# KiCad board AMC_FMC_Carrier-PcbDoc.kicad_pcb (continued)
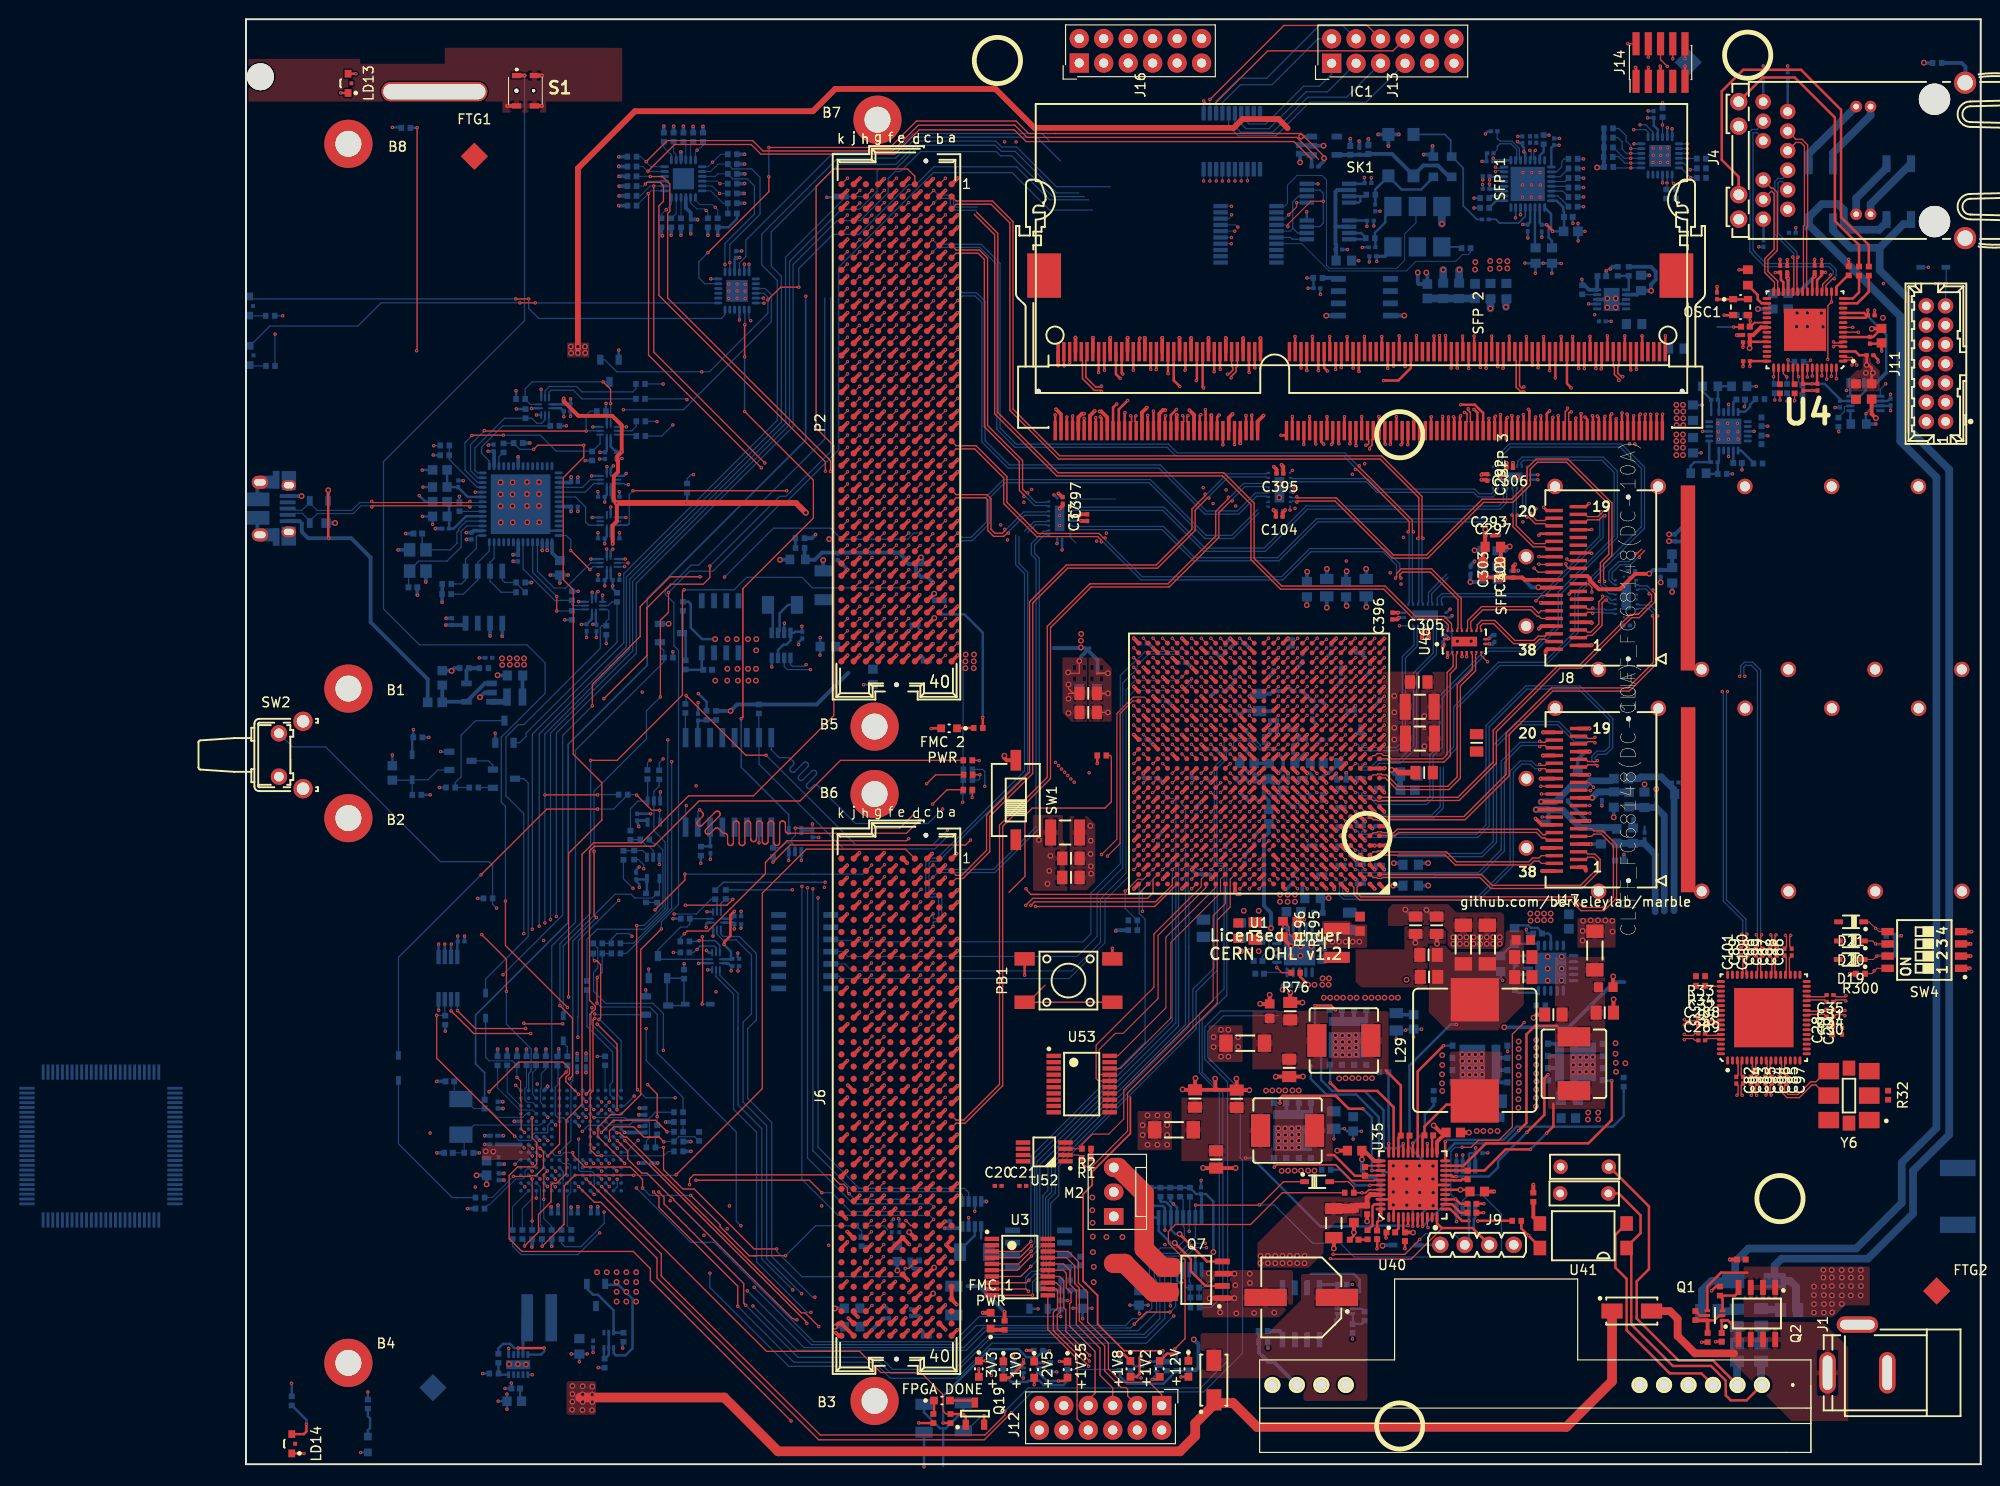
[diagram p0: board, top side]
## Nets (continued)
/PMOD/Pmod2_C_4: J13.2 U12.14
/PMOD/Pmod2_C_5: J13.4 U12.13
/PMOD/Pmod2_C_6: J13.6 U12.12
/PMOD/Pmod2_C_7: J13.8 U12.11
/Power/Power_SW/EN_1V2: R167.2 U35.14
/Power/Power_SW/EN_1V8: R157.2 U35.13
/Power/Power_SW/PSS_XRP_BST1: C147.1 U35.35
/Power/Power_SW/PSS_XRP_BST2: C148.1 U35.29
/Power/Power_SW/PSS_XRP_BST3: C149.1 U35.24
/Power/Power_SW/PSS_XRP_BST4: C150.1 U35.18
/Power/Power_SW/PSS_XRP_GH1: Q10.1 U35.36
/Power/Power_SW/PSS_XRP_GH2: Q11.1 U35.30
/Power/Power_SW/PSS_XRP_GH3: Q12.1 U35.25
/Power/Power_SW/PSS_XRP_GH4: Q13.1 U35.19
/Power/Power_SW/PSS_XRP_GL1: Q10.8 U35.38
/Power/Power_SW/PSS_XRP_GL2: Q11.8 U35.32
/Power/Power_SW/PSS_XRP_GL3: Q12.8 U35.27
/Power/Power_SW/PSS_XRP_GL4: Q13.8 U35.21
/Power/Power_SW/PSS_XRP_LX1: C147.2 L17.1 Q10.9 U35.37
/Power/Power_SW/PSS_XRP_LX2: C148.2 L18.1 Q11.9 U35.31
/Power/Power_SW/PSS_XRP_LX3: C149.2 L29.1 Q12.9 U35.26
/Power/Power_SW/PSS_XRP_LX4: C150.2 L20.1 Q13.9 U35.20
/Power/Power_SW/XR77129ILB_F_VOUT1: C152.1 C160.1 C346.1 L17.2 L21.1 U35.5
/Power/Power_SW/XR77129ILB_F_VOUT2: C154.1 C194.1 C347.1 L18.2 L22.1 U35.6
/Power/Power_SW/XR77129ILB_F_VOUT3: C158.1 C340.1 C341.1 C345.1 C349.1 L14.1 L29.2 L32.1 U35.7
/Power/Power_SW/XR77129ILB_F_VOUT4: C156.1 C330.1 C348.1 L20.2 L31.1 U35.8
/QSFP1/QSFP_Vcc: C406.1 C409.1 J17.30 L44.2
/QSFP1/QSFP_VccRx: C404.1 C407.1 J17.10 L30.2
/QSFP1/QSFP_VccTx: C405.1 C408.1 J17.29 L43.2
/QSFP2/QSFP_Vcc: C301.1 C304.1 J8.30 L5.2
/QSFP2/QSFP_VccRx: C299.1 C302.1 J8.10 L1.2
/QSFP2/QSFP_VccTx: C300.1 C303.1 J8.29 L2.2
/SDRAM/DDR3_A0: SK1.98 U1.AC8
/SDRAM/DDR3_A1: SK1.97 U1.AB10
/SDRAM/DDR3_A2: SK1.96 U1.AA9
/SDRAM/DDR3_A3: SK1.95 U1.AA10
/SDRAM/DDR3_A4: SK1.92 U1.AD10
/SDRAM/DDR3_A5: SK1.91 U1.AC12
/SDRAM/DDR3_A6: SK1.90 U1.AB11
/SDRAM/DDR3_A7: SK1.86 U1.AC11
/SDRAM/DDR3_A8: SK1.89 U1.AF13
/SDRAM/DDR3_A9: SK1.85 U1.AE13
/SDRAM/DDR3_A10: SK1.107 U1.AE10
/SDRAM/DDR3_A11: SK1.84 U1.AD11
/SDRAM/DDR3_A12: SK1.83 U1.AA12
/SDRAM/DDR3_A13: SK1.119 U1.AE8
/SDRAM/DDR3_A14: SK1.80 U1.AB12
/SDRAM/DDR3_A15: SK1.78 U1.AD13
/SDRAM/DDR3_BA0: SK1.109 U1.AF10
/SDRAM/DDR3_BA1: SK1.108 U1.AD8
/SDRAM/DDR3_BA2: SK1.79 U1.AC13
/SDRAM/DDR3_DM0: SK1.11 U1.AF17
/SDRAM/DDR3_DM1: SK1.28 U1.W15
/SDRAM/DDR3_DM2: SK1.46 U1.AC19
/SDRAM/DDR3_DM3: SK1.63 U1.AA15
/SDRAM/DDR3_DM4: SK1.136 U1.AC3
/SDRAM/DDR3_DM5: SK1.153 U1.AD4
/SDRAM/DDR3_DM6: SK1.170 U1.W1
/SDRAM/DDR3_DM7: SK1.187 U1.U7
/SDRAM/DDR3_DQ0: SK1.5 U1.AF20
/SDRAM/DDR3_DQ1: SK1.7 U1.AF19
/SDRAM/DDR3_DQ2: SK1.15 U1.AE17
/SDRAM/DDR3_DQ3: SK1.17 U1.AE15
/SDRAM/DDR3_DQ4: SK1.4 U1.AD16
/SDRAM/DDR3_DQ5: SK1.6 U1.AD15
/SDRAM/DDR3_DQ6: SK1.16 U1.AF15
/SDRAM/DDR3_DQ7: SK1.18 U1.AF14
/SDRAM/DDR3_DQ8: SK1.21 U1.V17
/SDRAM/DDR3_DQ9: SK1.23 U1.Y17
/SDRAM/DDR3_DQ10: SK1.33 U1.V18
/SDRAM/DDR3_DQ11: SK1.35 U1.V19
/SDRAM/DDR3_DQ12: SK1.22 U1.V16
/SDRAM/DDR3_DQ13: SK1.24 U1.W16
/SDRAM/DDR3_DQ14: SK1.34 U1.V14
/SDRAM/DDR3_DQ15: SK1.36 U1.W14
/SDRAM/DDR3_DQ16: SK1.39 U1.AA20
/SDRAM/DDR3_DQ17: SK1.41 U1.AD19
/SDRAM/DDR3_DQ18: SK1.51 U1.AB17
/SDRAM/DDR3_DQ19: SK1.53 U1.AC17
/SDRAM/DDR3_DQ20: SK1.40 U1.AA19
/SDRAM/DDR3_DQ21: SK1.42 U1.AB19
/SDRAM/DDR3_DQ22: SK1.50 U1.AD18
/SDRAM/DDR3_DQ23: SK1.52 U1.AC18
/SDRAM/DDR3_DQ24: SK1.57 U1.AA18
/SDRAM/DDR3_DQ25: SK1.59 U1.AB16
/SDRAM/DDR3_DQ26: SK1.67 U1.AA14
/SDRAM/DDR3_DQ27: SK1.69 U1.AD14
/SDRAM/DDR3_DQ28: SK1.56 U1.AB15
/SDRAM/DDR3_DQ29: SK1.58 U1.AA17
/SDRAM/DDR3_DQ30: SK1.68 U1.AC14
/SDRAM/DDR3_DQ31: SK1.70 U1.AB14
/SDRAM/DDR3_DQ32: SK1.129 U1.AD6
/SDRAM/DDR3_DQ33: SK1.131 U1.AB6
/SDRAM/DDR3_DQ34: SK1.141 U1.Y6
/SDRAM/DDR3_DQ35: SK1.143 U1.AC4
/SDRAM/DDR3_DQ36: SK1.130 U1.AC6
/SDRAM/DDR3_DQ37: SK1.132 U1.AB4
/SDRAM/DDR3_DQ38: SK1.140 U1.AA4
/SDRAM/DDR3_DQ39: SK1.142 U1.Y5
/SDRAM/DDR3_DQ40: SK1.147 U1.AF2
/SDRAM/DDR3_DQ41: SK1.149 U1.AE2
/SDRAM/DDR3_DQ42: SK1.157 U1.AE1
/SDRAM/DDR3_DQ43: SK1.159 U1.AD1
/SDRAM/DDR3_DQ44: SK1.146 U1.AE5
/SDRAM/DDR3_DQ45: SK1.148 U1.AE6
/SDRAM/DDR3_DQ46: SK1.158 U1.AF3
/SDRAM/DDR3_DQ47: SK1.160 U1.AE3
/SDRAM/DDR3_DQ48: SK1.163 U1.AA3
/SDRAM/DDR3_DQ49: SK1.165 U1.AC2
/SDRAM/DDR3_DQ50: SK1.175 U1.V2
/SDRAM/DDR3_DQ51: SK1.177 U1.V1
/SDRAM/DDR3_DQ52: SK1.164 U1.AB2
/SDRAM/DDR3_DQ53: SK1.166 U1.Y3
/SDRAM/DDR3_DQ54: SK1.174 U1.Y2
/SDRAM/DDR3_DQ55: SK1.176 U1.Y1
/SDRAM/DDR3_DQ56: SK1.181 U1.W3
/SDRAM/DDR3_DQ57: SK1.183 U1.V4
/SDRAM/DDR3_DQ58: SK1.191 U1.U2
/SDRAM/DDR3_DQ59: SK1.193 U1.U1
/SDRAM/DDR3_DQ60: SK1.180 U1.V6
/SDRAM/DDR3_DQ61: SK1.182 U1.V3
/SDRAM/DDR3_DQ62: SK1.192 U1.U6
/SDRAM/DDR3_DQ63: SK1.194 U1.U5
/SDRAM/PGOOD: R29.2 U31.9 U43.64
/THERM: R130.2 U27.6 U39.7
/USB/USB_D_N: D13.2 J10.2 U23.7
/USB/USB_D_P: D13.3 J10.3 R112.1 U23.8
/USB_TCK: R230.1 U26.5
/USB_TDI_DO: R231.1 U26.4
/USB_TDO_DI: R233.1 U33.4
/USB_TMS: R232.1 U33.5
/WhiteRabbit/SI570_OE: R32.2 Y6.2
/WhiteRabbit/WR_DAC_OUT1: C109.1 R93.1 Y1.1 Y2.1
/WhiteRabbit/WR_DAC_OUT2: C108.1 R92.1 Y3.1
DDR_REF_CLK_N: U20.31
DDR_REF_CLK_P: U20.32
FMC1_DP0_C2M_N: J6.C3 U44.12
FMC1_DP0_C2M_P: J6.C2 U44.13
FMC1_DP0_M2C_N: J6.C7 U44.14
FMC1_DP0_M2C_P: J6.C6 U44.15
FMC1_DP1_C2M_N: J6.A23 U45.16
FMC1_DP1_C2M_P: J6.A22 U45.17
FMC1_DP1_M2C_N: J6.A3 U45.18
FMC1_DP1_M2C_P: J6.A2 U45.19
FMC1_LA_0_N: J6.G7 U1.H18
FMC1_LA_0_P: J6.G6 U1.H17
FMC1_LA_1_N: J6.D9 U1.F18
FMC1_LA_1_P: J6.D8 U1.G17
FMC1_LA_2_N: J6.H8 U1.J20
FMC1_LA_2_P: J6.H7 U1.K20
FMC1_LA_3_N: J6.G10 U1.L18
FMC1_LA_3_P: J6.G9 U1.M17
FMC1_LA_4_N: J6.H11 U1.G20
FMC1_LA_4_P: J6.H10 U1.H19
FMC1_LA_5_N: J6.D12 U1.E20
FMC1_LA_5_P: J6.D11 U1.F19
FMC1_LA_6_N: J6.C11 U1.L20
FMC1_LA_6_P: J6.C10 U1.L19
FMC1_LA_7_N: J6.H14 U1.D20
FMC1_LA_7_P: J6.H13 U1.D19
FMC1_LA_8_N: J6.G13 U1.F20
FMC1_LA_8_P: J6.G12 U1.G19
FMC1_LA_9_N: J6.D15 U1.J19
FMC1_LA_9_P: J6.D14 U1.J18
FMC1_LA_10_N: J6.C15 U1.G16
FMC1_LA_10_P: J6.C14 U1.H16
FMC1_LA_11_N: J6.H17 U1.K18
FMC1_LA_11_P: J6.H16 U1.L17
FMC1_LA_12_N: J6.G16 U1.F15
FMC1_LA_12_P: J6.G15 U1.G15
FMC1_LA_13_N: J6.D18 U1.D16
FMC1_LA_13_P: J6.D17 U1.D15
FMC1_LA_14_N: J6.C19 U1.E16
FMC1_LA_14_P: J6.C18 U1.E15
FMC1_LA_15_N: J6.H20 U1.J16
FMC1_LA_15_P: J6.H19 U1.J15
FMC1_LA_16_N: J6.G19 U1.K17
FMC1_LA_16_P: J6.G18 U1.K16
FMC1_LA_17_N: J6.D21 U1.D10
FMC1_LA_17_P: J6.D20 U1.E10
FMC1_LA_18_N: J6.C23 U1.C11
FMC1_LA_18_P: J6.C22 U1.C12
FMC1_LA_19_N: J6.H23 U1.G14
FMC1_LA_19_P: J6.H22 U1.H14
FMC1_LA_20_N: J6.G22 U1.A15
FMC1_LA_20_P: J6.G21 U1.B15
FMC1_LA_21_N: J6.H26 U1.D13
FMC1_LA_21_P: J6.H25 U1.D14
FMC1_LA_22_N: J6.G25 U1.A14
FMC1_LA_22_P: J6.G24 U1.B14
FMC1_LA_23_N: J6.D24 U1.F12
FMC1_LA_23_P: J6.D23 U1.G12
FMC1_LA_24_N: J6.H29 U1.A8
FMC1_LA_24_P: J6.H28 U1.A9
FMC1_LA_25_N: J6.G28 U1.G9
FMC1_LA_25_P: J6.G27 U1.G10
FMC1_LA_26_N: J6.D27 U1.E12
FMC1_LA_26_P: J6.D26 U1.E13
FMC1_LA_27_N: J6.C27 U1.F13
FMC1_LA_27_P: J6.C26 U1.F14
FMC1_LA_28_N: J6.H32 U1.H13
FMC1_LA_28_P: J6.H31 U1.J13
FMC1_LA_29_N: J6.G31 U1.F8
FMC1_LA_29_P: J6.G30 U1.F9
FMC1_LA_30_N: J6.H35 U1.B11
FMC1_LA_30_P: J6.H34 U1.B12
FMC1_LA_31_N: J6.G34 U1.A12
FMC1_LA_31_P: J6.G33 U1.A13
FMC1_LA_32_N: J6.H38 U1.C13
FMC1_LA_32_P: J6.H37 U1.C14
FMC1_LA_33_N: J6.G37 U1.A10
FMC1_LA_33_P: J6.G36 U1.B10
FMC2_DP0_C2M_N: P2.C3 U46.18
FMC2_DP0_C2M_P: P2.C2 U46.19
FMC2_DP0_M2C_N: P2.C7 U48.12
FMC2_DP0_M2C_P: P2.C6 U48.13
FMC2_DP1_C2M_N: P2.A23 U46.16
FMC2_DP1_C2M_P: P2.A22 U46.17
FMC2_DP1_M2C_N: P2.A3 U48.14
FMC2_DP1_M2C_P: P2.A2 U48.15
FMC2_DP2_C2M_N: P2.A27 U44.16
FMC2_DP2_C2M_P: P2.A26 U44.17
FMC2_DP2_M2C_N: P2.A7 U44.18
FMC2_DP2_M2C_P: P2.A6 U44.19
FMC2_DP3_C2M_N: P2.A31 U45.12
FMC2_DP3_C2M_P: P2.A30 U45.13
FMC2_DP3_M2C_N: P2.A11 U45.14
FMC2_DP3_M2C_P: P2.A10 U45.15
FMC2_HA00_CC_N: P2.F5 U1.N22
FMC2_HA00_CC_P: P2.F4 U1.N21
FMC2_HA01_CC_N: P2.E3 U1.P21
FMC2_HA01_CC_P: P2.E2 U1.R21
FMC2_HA02_N: P2.K8 U1.U20
FMC2_HA02_P: P2.K7 U1.U19
FMC2_HA03_N: P2.J7 U1.T19
FMC2_HA03_P: P2.J6 U1.T18
FMC2_HA04_N: P2.F8 U1.R17
FMC2_HA04_P: P2.F7 U1.R16
FMC2_HA05_N: P2.E7 U1.N17
FMC2_HA05_P: P2.E6 U1.P16
FMC2_HA06_N: P2.K11 U1.P18
FMC2_HA06_P: P2.K10 U1.R18
FMC2_HA07_N: P2.J10 U1.T25
FMC2_HA07_P: P2.J9 U1.T24
FMC2_HA08_N: P2.F11 U1.T23
FMC2_HA08_P: P2.F10 U1.T22
FMC2_HA09_N: P2.E10 U1.T17
FMC2_HA09_P: P2.E9 U1.U17
FMC2_HA10_N: P2.K14 U1.K26
FMC2_HA10_P: P2.K13 U1.K25
FMC2_HA11_N: P2.J13 U1.M19
FMC2_HA11_P: P2.J12 U1.N18
FMC2_HA12_N: P2.F14 U1.L24
FMC2_HA12_P: P2.F13 U1.M24
FMC2_HA13_N: P2.E13 U1.R20
FMC2_HA13_P: P2.E12 U1.T20
FMC2_HA14_N: P2.J16 U1.P20
FMC2_HA14_P: P2.J15 U1.P19
FMC2_HA15_N: P2.F17 U1.P25
FMC2_HA15_P: P2.F16 U1.R25
FMC2_HA16_N: P2.E16 U1.P26
FMC2_HA16_P: P2.E15 U1.R26
FMC2_HA17_CC_N: P2.K17 U1.R23
FMC2_HA17_CC_P: P2.K16 U1.R22
FMC2_HA18_N: P2.J19 U1.M22
FMC2_HA18_P: P2.J18 U1.M21
FMC2_HA19_N: P2.F20 U1.M20
FMC2_HA19_P: P2.F19 U1.N19
FMC2_HA20_N: P2.E19 U1.N23
FMC2_HA20_P: P2.E18 U1.P23
FMC2_HA21_N: P2.K20 U1.N24
FMC2_HA21_P: P2.K19 U1.P24
FMC2_HA22_N: P2.J22 U1.M26
FMC2_HA22_P: P2.J21 U1.N26
FMC2_HA23_N: P2.K23 U1.L25
FMC2_HA23_P: P2.K22 U1.M25
FMC2_HB00_CC_N: P2.K26
FMC2_HB00_CC_P: P2.K25
FMC2_HB01_N: P2.J25
FMC2_HB01_P: P2.J24
FMC2_HB02_N: P2.F23
FMC2_HB02_P: P2.F22
FMC2_HB03_N: P2.E22
FMC2_HB03_P: P2.E21
FMC2_HB04_N: P2.F26
FMC2_HB04_P: P2.F25
FMC2_HB05_N: P2.E25
FMC2_HB05_P: P2.E24
FMC2_HB06_CC_N: P2.K29
FMC2_HB06_CC_P: P2.K28
FMC2_HB07_N: P2.J28
FMC2_HB07_P: P2.J27
FMC2_HB08_N: P2.F29
FMC2_HB08_P: P2.F28
FMC2_HB09_N: P2.E28
FMC2_HB09_P: P2.E27
FMC2_HB10_N: P2.K32
FMC2_HB10_P: P2.K31
FMC2_HB11_N: P2.J31
FMC2_HB11_P: P2.J30
FMC2_HB12_N: P2.F32
FMC2_HB12_P: P2.F31
FMC2_HB13_N: P2.E31
FMC2_HB13_P: P2.E30
FMC2_HB14_N: P2.K35
FMC2_HB14_P: P2.K34
FMC2_HB15_N: P2.J34
FMC2_HB15_P: P2.J33
FMC2_HB16_N: P2.F35
FMC2_HB16_P: P2.F34
FMC2_HB17_CC_N: P2.K38
FMC2_HB17_CC_P: P2.K37
FMC2_HB18_N: P2.J37
FMC2_HB18_P: P2.J36
FMC2_HB19_N: P2.E34
FMC2_HB19_P: P2.E33
FMC2_HB20_N: P2.F38
FMC2_HB20_P: P2.F37
FMC2_HB21_N: P2.E37
FMC2_HB21_P: P2.E36
FMC2_LA_0_N: P2.G7 U1.AA22
FMC2_LA_0_P: P2.G6 U1.Y22
FMC2_LA_1_N: P2.D9 U1.AB24
FMC2_LA_1_P: P2.D8 U1.AA23
FMC2_LA_2_N: P2.H8 U1.AF22
FMC2_LA_2_P: P2.H7 U1.AE22
FMC2_LA_3_N: P2.G10 U1.AC24
FMC2_LA_3_P: P2.G9 U1.AC23
FMC2_LA_4_N: P2.H11 U1.W21
FMC2_LA_4_P: P2.H10 U1.V21
FMC2_LA_5_N: P2.D12 U1.AC26
FMC2_LA_5_P: P2.D11 U1.AB26
FMC2_LA_6_N: P2.C11 U1.AD24
FMC2_LA_6_P: P2.C10 U1.AD23
FMC2_LA_7_N: P2.H14 U1.AC22
FMC2_LA_7_P: P2.H13 U1.AB22
FMC2_LA_8_N: P2.G13 U1.AE26
FMC2_LA_8_P: P2.G12 U1.AD26
FMC2_LA_9_N: P2.D15 U1.V26
FMC2_LA_9_P: P2.D14 U1.U26
FMC2_LA_10_N: P2.C15 U1.AF23
FMC2_LA_10_P: P2.C14 U1.AE23
FMC2_LA_11_N: P2.H17 U1.W24
FMC2_LA_11_P: P2.H16 U1.W23
FMC2_LA_12_N: P2.G16 U1.AB25
FMC2_LA_12_P: P2.G15 U1.AA25
FMC2_LA_13_N: P2.D18 U1.V24
FMC2_LA_13_P: P2.D17 U1.V23
FMC2_LA_14_N: P2.C19 U1.U25
FMC2_LA_14_P: P2.C18 U1.U24
FMC2_LA_15_N: P2.H20 U1.V22
FMC2_LA_15_P: P2.H19 U1.U22
FMC2_LA_16_N: P2.G19 U1.W26
FMC2_LA_16_P: P2.G18 U1.W25
FMC2_LA_17_N: P2.D21 U1.F23
FMC2_LA_17_P: P2.D20 U1.G22
FMC2_LA_18_N: P2.C23 U1.F24
FMC2_LA_18_P: P2.C22 U1.G24
FMC2_LA_19_N: P2.H23 U1.J23
FMC2_LA_19_P: P2.H22 U1.K23
FMC2_LA_20_N: P2.G22 U1.K22
FMC2_LA_20_P: P2.G21 U1.L22
FMC2_LA_21_N: P2.H26 U1.H22
FMC2_LA_21_P: P2.H25 U1.J21
FMC2_LA_22_N: P2.G25 U1.D25
FMC2_LA_22_P: P2.G24 U1.E25
FMC2_LA_23_N: P2.D24 U1.H24
FMC2_LA_23_P: P2.D23 U1.H23
FMC2_LA_24_N: P2.H29 U1.J25
FMC2_LA_24_P: P2.H28 U1.J24
FMC2_LA_25_N: P2.G28 U1.D24
FMC2_LA_25_P: P2.G27 U1.D23
FMC2_LA_26_N: P2.D27 U1.E26
FMC2_LA_26_P: P2.D26 U1.F25
FMC2_LA_27_N: P2.C27 U1.G21
FMC2_LA_27_P: P2.C26 U1.H21
FMC2_LA_28_N: P2.H32 U1.G26
FMC2_LA_28_P: P2.H31 U1.G25
FMC2_LA_29_N: P2.G31 U1.H26
FMC2_LA_29_P: P2.G30 U1.J26
FMC2_LA_30_N: P2.H35 U1.C26
FMC2_LA_30_P: P2.H34 U1.D26
FMC2_LA_31_N: P2.G34 U1.E22
FMC2_LA_31_P: P2.G33 U1.E21
FMC2_LA_32_N: P2.H38 U1.A20
FMC2_LA_32_P: P2.H37 U1.B20
FMC2_LA_33_N: P2.G37 U1.B21
FMC2_LA_33_P: P2.G36 U1.C21
MGTAVCC: C1.1 C4.1 C217.1 C219.1 C221.1 C381.1 L34.2 U1.C6 U1.E6 U1.G6 U1.J6 U1.L6
MGTAVTT: C146.1 C225.1 C228.1 C230.1 C232.1 C234.1 C236.1 C238.1 C380.1 L16.2 R161.2 R253.1 U1.B3 U1.C2 U1.D3 U1.G2 U1.H3 U1.L2 U1.M3
VTT_DDR3: C26.1 C27.1 SK1.203 SK1.204 U31.3 U31.5
Net-(C38-Pad1): C38.1 R224.2 R225.2 U30.2
Net-(C39-Pad1): C39.1 R227.2 U30.14
Net-(C42-Pad2): C42.2 C45.1 C46.1 C48.1 C50.1 C52.1 L3.2 U4.3 U4.19 U4.26 U4.35 U4.38
Net-(C47-Pad2): C47.2 C49.1 C51.1 L4.2 U4.20 U4.25
Net-(C58-Pad1): C58.1 J4.7
Net-(C59-Pad1): C59.1 J4.1
Net-(C60-Pad1): C60.1 J4.6
Net-(C71-Pad2): C71.2 R68.2 R69.1 U47.16
Net-(C73-Pad1): C73.1 U47.19
Net-(C75-Pad2): C75.2 R70.2 R71.1 U47.10
Net-(C77-Pad2): C77.2 U47.7
Net-(C93-Pad1): C93.1 R132.1 U43.13 Y5.2
Net-(C102-Pad1): C92.1 C102.1 U43.12 Y5.1
Net-(C106-Pad1): C90.1 C106.1 R58.1 U14.8 U16.2 U19.2
Net-(C107-Pad1): C81.1 C91.1 C107.1 U13.5 Y1.6 Y2.4
Net-(C111-Pad1): C111.1 C113.1 L11.2 L12.1
Net-(C114-Pad1): C114.1 U20.21
Net-(C114-Pad2): C114.2 Y1.4 Y2.3
Net-(C120-Pad1): C120.1 U20.19
Net-(C121-Pad1): C121.1 U20.17
Net-(C123-Pad1): C123.1 C126.1 L26.1 U20.16 U20.18
Net-(C127-Pad1): C127.1 C140.1 U35.4 U35.16
Net-(C128-Pad1): C128.1 D4.2 J1.1 Q1.1 Q2.5 Q2.6 Q2.7 Q2.8
Net-(C129-Pad1): C129.1 C130.1 D4.1 D12.1 U18.2 U18.3
Net-(C132-Pad1): C132.1 C133.1 L13.2 Q15.1 Q25.3 R109.1 U18.8 U18.10
Net-(C134-Pad2): C134.2 Q16.4 R213.2
Net-(C135-Pad2): C135.2 Q23.4 R214.2
Net-(C138-Pad2): C138.2 U35.3
Net-(C139-Pad1): C139.1 U36.10
Net-(C143-Pad1): C143.1 L16.1 R168.1 U36.1 U36.18 U36.19 U36.20
Net-(C144-Pad1): C144.1 C361.1 C362.1 U35.23 U35.34 U35.44
Net-(C145-Pad1): C145.1 U37.10
Net-(C162-Pad1): C162.1 L10.2 U22.1 U22.4
Net-(C165-Pad1): C165.1 U23.4 Y4.1
Net-(C167-Pad1): C167.1 C174.1 L24.2 U23.5
Net-(C168-Pad1): C168.1 C175.1 L25.2 U23.9
Net-(C171-Pad1): C171.1 U23.3 Y4.3
Net-(C188-Pad2): C188.2 C189.2 R129.2 U27.11 U27.12
Net-(C199-Pad1): C199.1 L9.2 U43.22
Net-(C350-Pad1): C350.1 D12.2 Q4.5 Q4.6 Q4.7 Q4.8 Q22.1 R197.1 U40.8
Net-(C352-Pad1): C352.1 J4.12
Net-(C353-Pad1): C353.1 L39.2 U40.1 U41.1
Net-(C354-Pad1): C354.1 L40.2 U40.2
Net-(C360-Pad1): C360.1 D16.2 Q18.1 R270.2
Net-(C374-Pad1): C374.1 C375.1 OSC1.3 U4.34
Net-(C383-Pad1): C383.1 L34.1 R195.1 U37.1 U37.18 U37.19 U37.20
Net-(C393-Pad1): C393.1 U36.15
Net-(C394-Pad1): C394.1 U37.15
Net-(D2-Pad2): D2.2 D5.2 J9.1 R245.1 U35.40
Net-(D6-Pad3): D6.3 D7.3 D8.1 L35.1
Net-(D6-Pad4): D6.4 D7.4 D8.2 L36.1
Net-(D13-Pad4): D13.4 J10.1 L10.1
Net-(D14-Pad2): D14.2 Q5.3 Q17.1 R246.2
Net-(D17-Pad1): D17.1 R276.2 U7.4
Net-(D18-Pad1): D18.1 R63.2 U10.4
Net-(J1-Pad2): J1.2
Net-(J4-Pad17): J4.17 R67.1
Net-(J4-Pad19): J4.19 R156.1
Net-(J4-Pad21): J4.21 J4.22 R165.2
Net-(J6-PadA6): J6.A6
Net-(J6-PadA7): J6.A7
Net-(J6-PadA10): J6.A10
Net-(J6-PadA11): J6.A11
Net-(J6-PadA14): J6.A14
Net-(J6-PadA15): J6.A15
Net-(J6-PadA18): J6.A18
Net-(J6-PadA19): J6.A19
Net-(J6-PadA26): J6.A26
Net-(J6-PadA27): J6.A27
Net-(J6-PadA30): J6.A30
Net-(J6-PadA31): J6.A31
Net-(J6-PadA34): J6.A34
Net-(J6-PadA35): J6.A35
Net-(J6-PadA38): J6.A38
Net-(J6-PadA39): J6.A39
Net-(J6-PadB1): J6.B1
Net-(J6-PadB4): J6.B4
Net-(J6-PadB5): J6.B5
Net-(J6-PadB8): J6.B8
Net-(J6-PadB9): J6.B9
Net-(J6-PadB12): J6.B12
Net-(J6-PadB13): J6.B13
Net-(J6-PadB16): J6.B16
Net-(J6-PadB17): J6.B17
Net-(J6-PadB24): J6.B24
Net-(J6-PadB25): J6.B25
Net-(J6-PadB28): J6.B28
Net-(J6-PadB29): J6.B29
Net-(J6-PadB32): J6.B32
Net-(J6-PadB33): J6.B33
Net-(J6-PadB36): J6.B36
Net-(J6-PadB37): J6.B37
Net-(J6-PadB40): J6.B40
Net-(J6-PadE2): J6.E2
Net-(J6-PadE3): J6.E3
Net-(J6-PadE6): J6.E6
Net-(J6-PadE7): J6.E7
Net-(J6-PadE9): J6.E9
Net-(J6-PadE10): J6.E10
Net-(J6-PadE12): J6.E12
Net-(J6-PadE13): J6.E13
Net-(J6-PadE15): J6.E15
Net-(J6-PadE16): J6.E16
Net-(J6-PadE18): J6.E18
Net-(J6-PadE19): J6.E19
Net-(J6-PadE21): J6.E21
Net-(J6-PadE22): J6.E22
Net-(J6-PadE24): J6.E24
Net-(J6-PadE25): J6.E25
Net-(J6-PadE27): J6.E27
Net-(J6-PadE28): J6.E28
Net-(J6-PadE30): J6.E30
Net-(J6-PadE31): J6.E31
Net-(J6-PadE33): J6.E33
Net-(J6-PadE34): J6.E34
Net-(J6-PadE36): J6.E36
Net-(J6-PadE37): J6.E37
Net-(J6-PadF4): J6.F4
Net-(J6-PadF5): J6.F5
Net-(J6-PadF7): J6.F7
Net-(J6-PadF8): J6.F8
Net-(J6-PadF10): J6.F10
Net-(J6-PadF11): J6.F11
Net-(J6-PadF13): J6.F13
Net-(J6-PadF14): J6.F14
Net-(J6-PadF16): J6.F16
Net-(J6-PadF17): J6.F17
Net-(J6-PadF19): J6.F19
Net-(J6-PadF20): J6.F20
Net-(J6-PadF22): J6.F22
Net-(J6-PadF23): J6.F23
Net-(J6-PadF25): J6.F25
Net-(J6-PadF26): J6.F26
Net-(J6-PadF28): J6.F28
Net-(J6-PadF29): J6.F29
Net-(J6-PadF31): J6.F31
Net-(J6-PadF32): J6.F32
Net-(J6-PadF34): J6.F34
Net-(J6-PadF35): J6.F35
Net-(J6-PadF37): J6.F37
Net-(J6-PadF38): J6.F38
Net-(J6-PadH1): J6.H1
Net-(J6-PadJ2): J6.J2
Net-(J6-PadJ3): J6.J3
Net-(J6-PadJ6): J6.J6
Net-(J6-PadJ7): J6.J7
Net-(J6-PadJ9): J6.J9
Net-(J6-PadJ10): J6.J10
Net-(J6-PadJ12): J6.J12
Net-(J6-PadJ13): J6.J13
Net-(J6-PadJ15): J6.J15
Net-(J6-PadJ16): J6.J16
Net-(J6-PadJ18): J6.J18
Net-(J6-PadJ19): J6.J19
Net-(J6-PadJ21): J6.J21
Net-(J6-PadJ22): J6.J22
Net-(J6-PadJ24): J6.J24
Net-(J6-PadJ25): J6.J25
Net-(J6-PadJ27): J6.J27
Net-(J6-PadJ28): J6.J28
Net-(J6-PadJ30): J6.J30
Net-(J6-PadJ31): J6.J31
Net-(J6-PadJ33): J6.J33
Net-(J6-PadJ34): J6.J34
Net-(J6-PadJ36): J6.J36
Net-(J6-PadJ37): J6.J37
Net-(J6-PadK4): J6.K4
Net-(J6-PadK5): J6.K5
Net-(J6-PadK7): J6.K7
Net-(J6-PadK8): J6.K8
Net-(J6-PadK10): J6.K10
Net-(J6-PadK11): J6.K11
Net-(J6-PadK13): J6.K13
Net-(J6-PadK14): J6.K14
Net-(J6-PadK16): J6.K16
Net-(J6-PadK17): J6.K17
Net-(J6-PadK19): J6.K19
Net-(J6-PadK20): J6.K20
Net-(J6-PadK22): J6.K22
Net-(J6-PadK23): J6.K23
Net-(J6-PadK25): J6.K25
Net-(J6-PadK26): J6.K26
Net-(J6-PadK28): J6.K28
Net-(J6-PadK29): J6.K29
Net-(J6-PadK31): J6.K31
Net-(J6-PadK32): J6.K32
Net-(J6-PadK34): J6.K34
Net-(J6-PadK35): J6.K35
Net-(J6-PadK37): J6.K37
Net-(J6-PadK38): J6.K38
Net-(J10-Pad4): J10.4
Net-(J11-Pad2): J11.2
Net-(J11-Pad12): J11.12
Net-(J11-Pad14): J11.14
Net-(J14-Pad7): J14.7
Net-(L13-Pad1): L13.1 U18.9
Net-(L23-Pad1): L23.1 U22.3
Net-(L35-Pad2): L35.2 L37.1
Net-(L36-Pad2): L36.2 L38.1
Net-(L37-Pad2): L37.2 L39.1
Net-(L38-Pad2): L38.2 L40.1
Net-(LD1-Pad2): LD1.2 R235.2
Net-(LD2-Pad2): LD2.2 R236.2
Net-(LD3-Pad1): LD3.1 Q19.3
Net-(LD3-Pad2): LD3.2 R163.2
Net-(LD4-Pad2): LD4.2 R248.2
Net-(LD5-Pad1): LD5.1 Q26.6
Net-(LD5-Pad2): LD5.2 R249.2
Net-(LD6-Pad2): LD6.2 R251.2
Net-(LD7-Pad1): LD7.1 Q26.3
Net-(LD7-Pad2): LD7.2 R252.2
Net-(LD8-Pad1): LD8.1 Q27.6
Net-(LD8-Pad2): LD8.2 R254.2
Net-(LD9-Pad1): LD9.1 Q27.3
Net-(LD9-Pad2): LD9.2 R256.2
Net-(LD10-Pad2): LD10.2 R257.2
Net-(LD11-Pad1): LD11.1 U39.13
Net-(LD11-Pad2): LD11.2 R264.2
Net-(LD12-Pad1): LD12.1 U39.12
Net-(LD12-Pad2): LD12.2 R265.2
Net-(LD13-Pad1): LD13.1 U43.67
Net-(LD13-Pad2): LD13.2 R266.2
Net-(LD14-Pad1): LD14.1 U43.32
Net-(LD14-Pad2): LD14.2 R267.2
Net-(LD15-Pad1): LD15.1 U43.31
Net-(LD15-Pad2): LD15.2 R268.2
Net-(M1-Pad1): R175.2 U27.2
Net-(M1-Pad3): Q7.7 Q7.8
Net-(M2-Pad1): M2.1 R177.2 U27.4
Net-(M2-Pad3): M2.3 Q7.5 Q7.6
Net-(P2-PadH1): P2.H1
Net-(Q1-Pad2): Q1.2 Q1.6 R104.1 R107.1
Net-(Q1-Pad3): Q1.3 Q2.4 R108.1
Net-(Q1-Pad5): Q1.5 R107.2
Net-(Q6-Pad3): Q6.3 R204.2 U26.2 U33.2
Net-(Q7-Pad2): Q7.2 R174.2 U27.1
Net-(Q7-Pad4): Q7.4 R176.2 U27.3
Net-(Q8-Pad3): Q8.3 R202.2 R213.1
Net-(Q9-Pad3): Q9.3 R203.2 R214.1
Net-(Q14-Pad1): Q14.1 R269.2
Net-(Q14-Pad2): Q14.2 Q18.3
Net-(Q15-Pad2): Q15.2 Q15.5 Q15.6 R171.1
Net-(Q15-Pad3): Q15.3 Q25.1 R180.1
Net-(Q16-Pad5): Q16.5 Q16.6 Q16.7 Q16.8 R182.1 U17.1
Net-(Q17-Pad3): Q17.3 R131.2 U8.2 U9.2
Net-(Q22-Pad2): Q22.2 Q22.6 R181.1 R184.1
Net-(Q22-Pad3): Q4.4 Q22.3 R212.1
Net-(Q22-Pad5): Q22.5 R184.2
Net-(Q23-Pad5): Q23.5 Q23.6 Q23.7 Q23.8 R183.1 U32.1
Net-(Q24-Pad1): Q24.1 R273.2 U24.4
Net-(Q24-Pad3): Q24.3 R269.1 R271.1
Net-(Q26-Pad2): Q26.2 R247.2
Net-(Q26-Pad5): Q26.5 R250.2
Net-(Q27-Pad2): Q27.2 R253.2
Net-(Q27-Pad5): Q27.5 R255.2
Net-(R30-Pad1): R30.1 R31.1 U31.1
Net-(R33-Pad1): R33.1 U2.49
Net-(R34-Pad1): R34.1 U2.50
Net-(R43-Pad1): R43.1 U5.23
Net-(R44-Pad1): R44.1 U5.22
Net-(R51-Pad1): R51.1 U5.8
Net-(R52-Pad1): R52.1 U5.7
Net-(R64-Pad1): R64.1 U4.8 U6.8
Net-(R65-Pad2): R65.2 U4.15
Net-(R66-Pad2): R66.2 U4.30
Net-(R67-Pad2): R67.2 U4.14
Net-(R72-Pad2): R72.2 U47.20
Net-(R73-Pad2): R73.2 U47.6
Net-(R74-Pad2): R74.2 U36.11
Net-(R76-Pad2): R76.2 U37.11
Net-(R92-Pad2): R92.2 U16.3 U16.4
Net-(R93-Pad2): R93.2 U19.3 U19.4
Net-(R94-Pad2): R94.2 U20.7
Net-(R95-Pad2): R95.2 U20.12
Net-(R96-Pad2): R96.2 U20.25
Net-(R97-Pad2): R97.2 U20.26
Net-(R98-Pad2): R98.2 U20.13
Net-(R99-Pad2): R99.2 U20.14
Net-(R100-Pad2): R100.2 U20.15
Net-(R101-Pad2): R101.2 U20.10
Net-(R102-Pad2): R102.2 U20.11
Net-(R103-Pad1): R103.1 Y3.4
Net-(R109-Pad2): R109.2 R110.1 U18.5
Net-(R112-Pad2): R112.2 R116.1 U23.11
Net-(R113-Pad2): R113.2 R114.1 U21.4
Net-(R114-Pad2): R114.2 U21.3 U23.55
Net-(R115-Pad2): R115.2 U21.2 U23.56
Net-(R117-Pad2): R117.2 U21.1 U23.1
Net-(R118-Pad2): R118.2 R119.1 U22.5
Net-(R120-Pad2): R120.2 U23.6
Net-(R121-Pad2): R121.2 U23.47 U24.8
Net-(R122-Pad2): R122.2 U23.12 U26.8
Net-(R123-Pad2): R123.2 U23.49 U24.9
Net-(R124-Pad2): R124.2 U23.13 U26.9
Net-(R125-Pad2): R125.2 U23.14 U33.9
Net-(R126-Pad2): R126.2 U23.15 U33.8
Net-(R135-Pad2): R135.2 U43.53
Net-(R136-Pad2): R136.2 U43.52
Net-(R148-Pad2): R148.2
Net-(R149-Pad2): R149.2
Net-(R150-Pad2): R150.2
Net-(R151-Pad2): R151.2 U43.80
Net-(R152-Pad2): R152.2 U43.7
Net-(R153-Pad2): R153.2 U43.8
Net-(R154-Pad2): R154.2 U43.9
Net-(R155-Pad2): R155.2
Net-(R156-Pad2): R156.2 U4.13
Net-(R161-Pad1): R161.1 U1.M6
Net-(R168-Pad2): R168.2 R189.1 U36.16
Net-(R190-Pad2): R190.2 U35.39
Net-(R191-Pad2): R191.2 U35.33
Net-(R192-Pad2): R192.2 U35.28
Net-(R193-Pad2): R193.2 U35.43
Net-(R194-Pad2): R194.2 U35.22
Net-(R195-Pad2): R195.2 R196.1 U37.16
Net-(R197-Pad2): R197.2 R198.1 U40.9
Net-(R200-Pad2): R200.2 U23.17
Net-(R210-Pad2): R210.2 U30.1
Net-(R262-Pad2): R262.2 U6.6
Net-(R263-Pad2): R263.2 SW2.2 SW3.2 U43.68
Net-(R274-Pad2): R42.1 R274.2 U5.18
Net-(R281-Pad1): R281.1 U41.3
Net-(R283-Pad2): R283.2 R286.1 U1.T5
Net-(R284-Pad1): R284.1 R287.1 U1.T2
Net-(R285-Pad1): R285.1 R288.1 U1.P5
Net-(R291-Pad1): R291.1 U4.43
Net-(R292-Pad1): R292.1 U4.46
Net-(R293-Pad1): R293.1 U4.44
Net-(R294-Pad1): R294.1 U4.45
Net-(R295-Pad1): R295.1 U4.47
Net-(R296-Pad1): R296.1 U4.48
Net-(SK1-Pad74): SK1.74
Net-(SK1-Pad77): SK1.77
Net-(SK1-Pad102): SK1.102
Net-(SK1-Pad104): SK1.104
Net-(SK1-Pad120): SK1.120
Net-(SK1-Pad121): SK1.121
Net-(SK1-Pad122): SK1.122
Net-(SK1-Pad125): SK1.125
Net-(SK1-Pad198): SK1.198
Net-(U1-PadA23): U1.A23
Net-(U1-PadA24): U1.A24
Net-(U1-PadAA2): U1.AA2
Net-(U1-PadAA7): U1.AA7
Net-(U1-PadAB20): U1.AB20
Net-(U1-PadAC9): U1.AC9
Net-(U1-PadAC16): U1.AC16
Net-(U1-PadAD5): U1.AD5
Net-(U1-PadAD9): U1.AD9
Net-(U1-PadAD25): U1.AD25
Net-(U1-PadAE25): U1.AE25
Net-(U1-PadB26): U1.B26
Net-(U1-PadD11): U1.D11
Net-(U1-PadG11): U1.G11
Net-(U1-PadJ14): U1.J14
Net-(U1-PadM5): U1.M5
Net-(U1-PadN16): U1.N16
Net-(U1-PadT7): U1.T7
Net-(U1-PadU4): U1.U4
Net-(U1-PadU9): U1.U9
Net-(U1-PadU16): U1.U16
Net-(U1-PadU21): U1.U21
Net-(U1-PadV12): U1.V12
Net-(U1-PadV13): U1.V13
Net-(U1-PadW13): U1.W13
Net-(U1-PadW20): U1.W20
Net-(U1-PadY13): U1.Y13
Net-(U1-PadY20): U1.Y20
Net-(U1-PadY21): U1.Y21
Net-(U2-Pad14): U2.14
Net-(U2-Pad15): U2.5 U2.15 U2.18 U2.21 U2.31 U2.34 U2.43 U2.59 U2.63
Net-(U2-Pad19): U2.19
Net-(U2-Pad20): U2.20
Net-(U2-Pad22): U2.22
Net-(U2-Pad23): U2.23
Net-(U2-Pad24): U2.24 U2.56
Net-(U2-Pad40): U2.8 U2.40
Net-(U2-Pad51): U2.51
Net-(U2-Pad52): U2.52
Net-(U2-Pad54): U2.54
Net-(U2-Pad55): U2.55
Net-(U3-Pad2): U3.2
Net-(U3-Pad20): U3.20
Net-(U4-Pad7): U4.7 U6.1
Net-(U4-Pad9): U4.9
Net-(U4-Pad12): U4.12
Net-(U4-Pad29): U4.29
Net-(U4-Pad31): U4.31
Net-(U4-Pad32): U4.32
Net-(U4-Pad33): U4.33
Net-(U4-Pad36): U4.36
Net-(U4-Pad37): U4.37
Net-(U4-Pad39): U4.39
Net-(U4-Pad40): U4.40
Net-(U4-Pad41): U4.41
Net-(U5-Pad25): U5.25
Net-(U12-Pad2): U12.2
Net-(U12-Pad20): U12.20
Net-(U13-Pad4): U13.4
Net-(U15-Pad1): U15.1
Net-(U15-Pad4): U15.4
Net-(U15-Pad8): U15.8 U23.34
Net-(U15-Pad9): U15.9
Net-(U18-Pad4): U18.4
Net-(U18-Pad7): U18.7
Net-(U20-Pad8): U20.8
Net-(U20-Pad24): U20.24
Net-(U20-Pad28): U20.28
Net-(U20-Pad29): U20.29
Net-(U21-Pad7): U21.7
Net-(U23-Pad18): U23.18
Net-(U23-Pad19): U23.19
Net-(U23-Pad20): U23.20
Net-(U23-Pad22): U23.22
Net-(U23-Pad23): U23.23
Net-(U23-Pad24): U23.24
Net-(U23-Pad25): U23.25
Net-(U23-Pad26): U23.26
Net-(U23-Pad27): U23.27
Net-(U23-Pad28): U23.28
Net-(U23-Pad29): U23.29
Net-(U23-Pad30): U23.30
Net-(U23-Pad32): U23.32 U38.9
Net-(U23-Pad33): U23.33 U38.8
Net-(U23-Pad35): U23.35
Net-(U23-Pad37): U23.37
Net-(U23-Pad38): U23.38
Net-(U23-Pad39): U23.39
Net-(U23-Pad40): U23.40
Net-(U23-Pad42): U23.42 U25.8
Net-(U23-Pad46): U23.46 U25.9
Net-(U23-Pad48): U23.48
Net-(U23-Pad51): U23.51
Net-(U23-Pad52): U23.52
Net-(U23-Pad53): U23.53
Net-(U23-Pad54): U23.54
Net-(U30-Pad3): U30.3
Net-(U30-Pad4): U30.4
Net-(U30-Pad5): U30.5
Net-(U30-Pad6): U30.6
Net-(U30-Pad11): U30.11
Net-(U30-Pad12): U30.12
Net-(U30-Pad13): U30.13
Net-(U34-Pad1): U34.1
Net-(U34-Pad2): U34.2
Net-(U34-Pad3): U34.3
Net-(U34-Pad10): U34.10
Net-(U34-Pad11): U34.11
Net-(U34-Pad12): U34.12
Net-(U35-Pad1): U35.1
Net-(U35-Pad10): U35.10
Net-(U35-Pad15): U35.15
Net-(U36-Pad2): U36.2
Net-(U36-Pad3): U36.3
Net-(U36-Pad4): U36.4
Net-(U36-Pad9): U36.9
Net-(U36-Pad13): U36.13
Net-(U36-Pad14): U36.14
Net-(U36-Pad17): U36.17
Net-(U37-Pad2): U37.2
Net-(U37-Pad3): U37.3
Net-(U37-Pad4): U37.4
Net-(U37-Pad9): U37.9
Net-(U37-Pad13): U37.13
Net-(U37-Pad14): U37.14
Net-(U37-Pad17): U37.17
Net-(U39-Pad1): U39.1
Net-(U39-Pad2): U39.2
